# Altium PCB PrintNC_GRBLHAL_Breakout.pcbdoc (part 2 of 9) (continued)
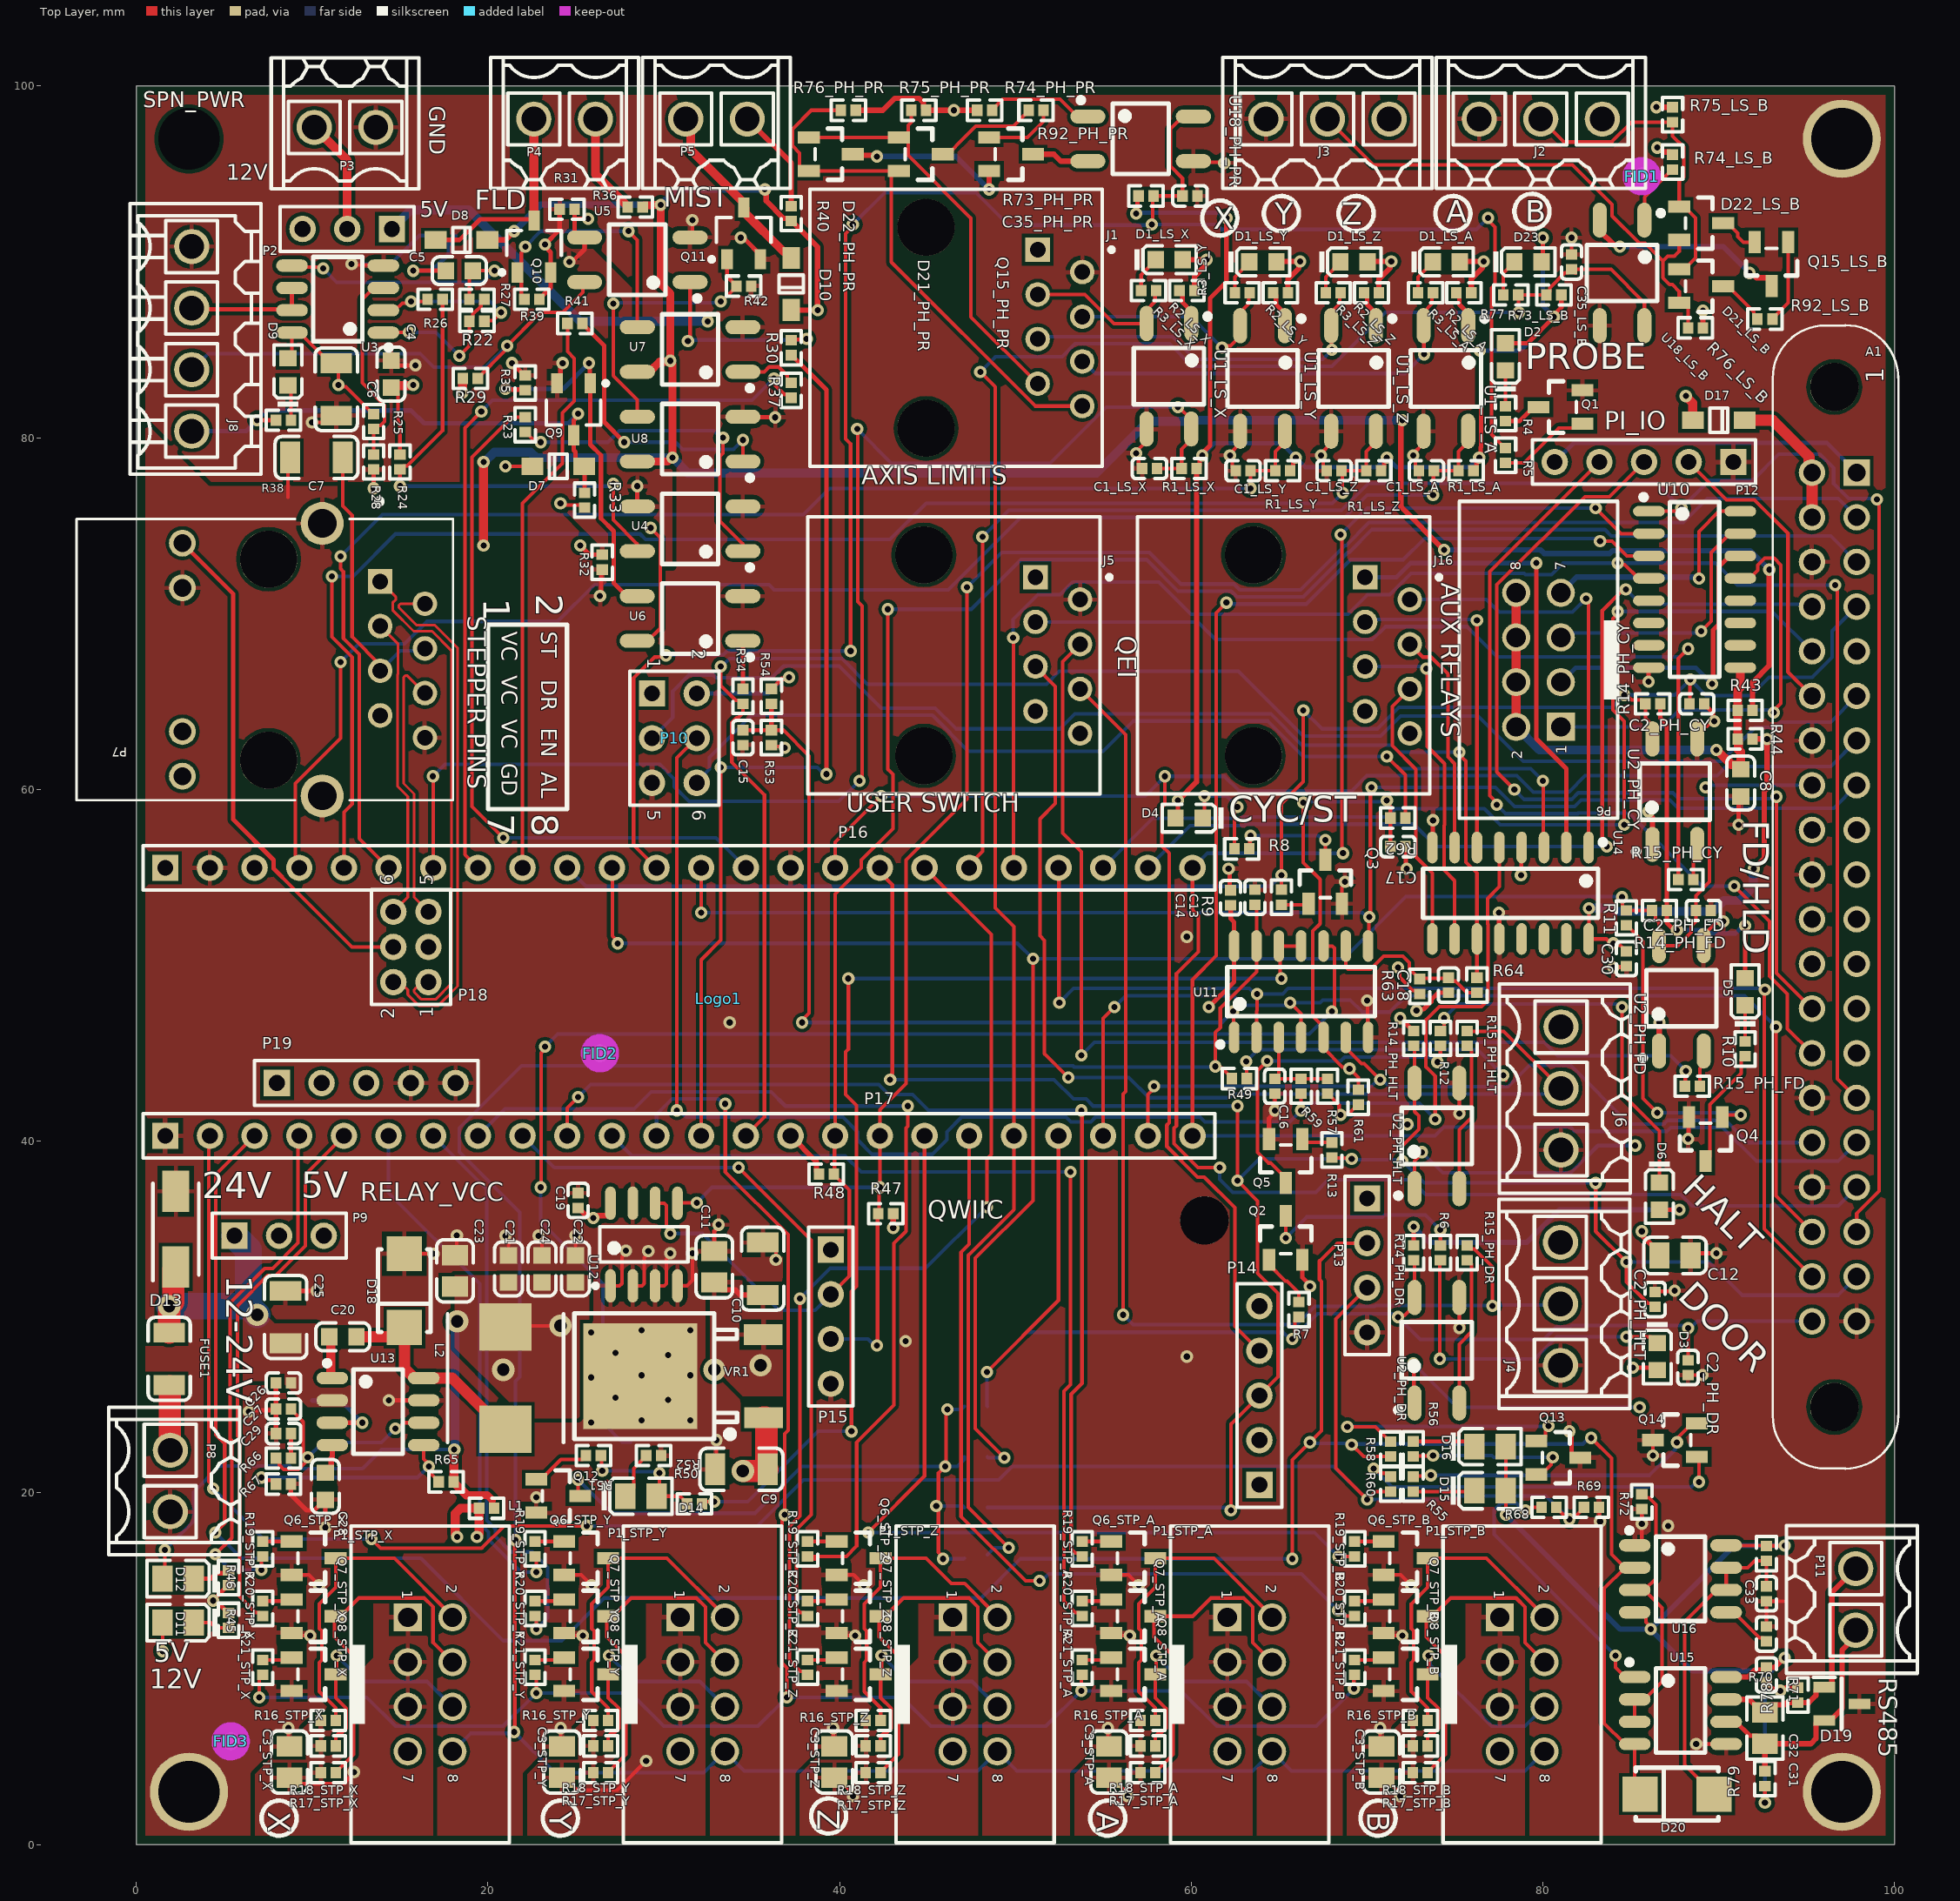
[diagram p0: Top Layer view]
## Footprints (in the part's own frame and the unit in brackets; to place one, negate y for a bottom-side part, rotate by r counter-clockwise, add the part's x,y. Pads: shape width x height; smd on the part's side, far side on the other; paste and mask are expansions set on the pad) (continued)
1_781(-44141.37,43644.33) 1_782(-44140.04,43644.79) 1_783(-44140.04,43644.79) 1_784(-44138.71,43646.15) 1_785(-44138.71,43646.15) 1_786(-44137.35,43646.57) 1_787(-44137.35,43646.57) 1_788(-44136.89,43647.48) 1_789(-44136.89,43647.48) 1_790(-44135.57,43647.93) 1_791(-44135.57,43647.93) 1_792(-44133.78,43649.71) 1_793(-44133.78,43649.71) 1_794(-44132.42,43650.17) 1_795(-44132.42,43650.17) 1_796(-44132,43651.04) 1_797(-44132,43651.04) 1_798(-44130.64,43651.5) 1_799(-44130.64,43651.5) 1_800(-44128.85,43653.28) 1_801(-44128.85,43653.28) 1_802(-44127.53,43653.73) 1_803(-44127.53,43653.73) 1_804(-44126.62,43655.1) 1_805(-44126.62,43655.1) 1_806(-44125.29,43655.52) 1_807(-44125.29,43655.52) 1_808(-44124.84,43656.42) 1_809(-44124.84,43656.42) 1_810(-44123.47,43656.88) 1_811(-44123.47,43656.88) 1_812(-44123.06,43657.75) 1_813(-44123.06,43657.75) 1_814(-44121.69,43658.21) 1_815(-44121.69,43658.21) 1_816(-44121.24,43659.11) 1_817(-44121.24,43659.11) 1_818(-44119.91,43659.57) 1_819(-44119.91,43659.57) 1_820(-44119.46,43660.44) 1_821(-44119.46,43660.44) 1_822(-44118.13,43660.9) 1_823(-44118.13,43660.9) 1_824(-44116.34,43662.68) 1_825(-44116.34,43662.68) 1_826(-44114.99,43663.13) 1_827(-44114.99,43663.13) 1_828(-44113.2,43664.92) 1_829(-44113.2,43664.92) 1_830(-44111.88,43665.37) 1_831(-44111.88,43665.37) 1_832(-44110.06,43667.15) 1_833(-44110.06,43667.15) 1_834(-44108.73,43667.61) 1_835(-44108.73,43667.61) 1_836(-44108.27,43668.52) 1_837(-44108.27,43668.52) 1_838(-44106.95,43668.93) 1_839(-44106.95,43668.93) 1_840(-44106.49,43669.84) 1_841(-44106.49,43669.84) 1_842(-44105.16,43670.3) 1_843(-44105.16,43670.3) 1_844(-44104.71,43671.17) 1_845(-44104.71,43671.17) 1_846(-44103.35,43671.63) 1_847(-44103.35,43671.63) 1_848(-44102.93,43672.53) 1_849(-44102.93,43672.53) 1_850(-44101.56,43672.99) 1_851(-44101.56,43672.99) 1_852(-44101.11,43673.86) 1_853(-44101.11,43673.86) 1_854(-44099.78,43674.32) 1_855(-44099.78,43674.32) 1_856(-44099.33,43675.22) 1_857(-44099.33,43675.22) 1_858(-44098,43675.64) 1_859(-44098,43675.64) 1_860(-44097.54,43676.55) 1_861(-44097.54,43676.55) 1_862(-44096.22,43677.01) 1_863(-44096.22,43677.01) 1_864(-44095.77,43677.88) 1_865(-44095.77,43677.88) 1_866(-44094.4,43678.34) 1_867(-44094.4,43678.34) 1_868(-44092.62,43680.12) 1_869(-44092.62,43680.12) 1_870(-44091.29,43680.57) 1_871(-44091.29,43680.57) 1_872(-44090.84,43681.48) 1_873(-44090.84,43681.48) 1_874(-44089.51,43681.93) 1_875(-44089.51,43681.93) 1_876(-44089.05,43682.81) 1_877(-44089.05,43682.81) 1_878(-44087.69,43683.26) 1_879(-44087.69,43683.26) 1_880(-44087.27,43684.17) 1_881(-44087.27,43684.17) 1_882(-44085.91,43684.59) 1_883(-44085.91,43684.59) 1_884(-44084.13,43686.41) 1_885(-44084.13,43686.41) 1_886(-44082.8,43686.83) 1_887(-44082.8,43686.83) 1_888(-44081.89,43688.19) 1_889(-44081.89,43688.19) 1_890(-44080.56,43688.64) 1_891(-44080.56,43688.64) 1_892(-44080.11,43689.52) 1_893(-44080.11,43689.52) 1_894(-44078.74,43689.97) 1_895(-44078.74,43689.97) 1_896(-44078.32,43690.88) 1_897(-44078.32,43690.88) 1_898(-44076.96,43691.3) 1_899(-44076.96,43691.3) 1_900(-44076.51,43692.21) 1_901(-44076.51,43692.21) 1_902(-44075.18,43692.66) 1_903(-44075.18,43692.66) 1_904(-44074.73,43693.54) 1_905(-44074.73,43693.54) 1_906(-44073.4,43693.99) 1_907(-44073.4,43693.99) 1_908(-44072.95,43694.9) 1_909(-44072.95,43694.9) 1_910(-44071.62,43695.35) 1_911(-44071.62,43695.35) 1_912(-44071.16,43696.23) 1_913(-44071.16,43696.23) 1_914(-44069.8,43696.68) 1_915(-44069.8,43696.68) 1_916(-44069.38,43697.59) 1_917(-44069.38,43697.59) 1_918(-44068.02,43698.01) 1_919(-44068.02,43698.01) 1_920(-44067.56,43698.92) 1_921(-44067.56,43698.92) 1_922(-44066.23,43699.37) 1_923(-44066.23,43699.37) 1_924(-44065.78,43700.24) 1_925(-44065.78,43700.24) 1_926(-44064.46,43700.7) 1_927(-44064.46,43700.7) 1_928(-44062.67,43702.48) 1_929(-44062.67,43702.48) 1_930(-44061.31,43702.94) 1_931(-44061.31,43702.94) 1_932(-44060.86,43703.84) 1_933(-44060.86,43703.84) 1_934(-44059.53,43704.3) 1_935(-44059.53,43704.3) 1_936(-44059.07,43705.17) 1_937(-44059.07,43705.17) 1_938(-44057.74,43705.63) 1_939(-44057.74,43705.63) 1_940(-44055.96,43707.41) 1_941(-44055.96,43707.41) 1_942(-44054.6,43707.86) 1_943(-44054.6,43707.86) 1_944(-44054.14,43708.77) 1_945(-44054.14,43708.77) 1_946(-44052.82,43709.19) 1_947(-44052.82,43709.19) 1_948(-44052.36,43710.1) 1_949(-44052.36,43710.1) 1_950(-44051.03,43710.55) 1_951(-44051.03,43710.55) 1_952(-44049.25,43712.34) 1_953(-44049.25,43712.34) 1_954(-44047.89,43712.79) 1_955(-44047.89,43712.79) 1_956(-44047.43,43713.66) 1_957(-44047.43,43713.66) 1_958(-44046.1,43714.12) 1_959(-44046.1,43714.12) 1_960(-44044.33,43715.9) 1_961(-44044.33,43715.9) 1_962(-44042.96,43716.35) 1_963(-44042.96,43716.35) 1_964(-44042.09,43717.72) 1_965(-44042.09,43717.72) 1_966(-44040.73,43718.14) 1_967(-44040.73,43718.14) 1_968(-44040.31,43719.05) 1_969(-44040.31,43719.05) 1_970(-44038.94,43719.5) 1_971(-44038.94,43719.5) 1_972(-44038.07,43720.83) 1_973(-44038.07,43720.83) 1_974(-44036.71,43721.28) 1_975(-44036.71,43721.28) 1_976(-44036.25,43722.19) 1_977(-44036.25,43722.19) 1_978(-44034.92,43722.61) 1_979(-44034.92,43722.61) 1_980(-44034.47,43723.52) 1_981(-44034.47,43723.52) 1_982(-44033.14,43723.97) 1_983(-44033.14,43723.97) 1_984(-44032.69,43724.85) 1_985(-44032.69,43724.85) 1_986(-44031.36,43725.3) 1_987(-44031.36,43725.3) 1_988(-44029.54,43727.08) 1_989(-44029.54,43727.08) 1_990(-44028.21,43727.54) 1_991(-44028.21,43727.54) 1_992(-44026.43,43729.32) 1_993(-44026.43,43729.32) 1_994(-44025.07,43729.77) 1_995(-44025.07,43729.77) 1_996(-44024.65,43730.68) 1_997(-44024.65,43730.68) 1_998(-44023.28,43731.14) 1_999(-44023.28,43731.14) 1_1000(-44021.51,43732.92) 1_1001(-44021.51,43732.92) 1_1002(-44018.36,43734.25) 1_1003(-44018.36,43734.25) 1_1004(-44017.03,43735.61) 1_1005(-44017.03,43735.61) 1_1006(-44015.7,43736.03) 1_1007(-44015.7,43736.03) 1_1008(-44014.79,43737.39) 1_1009(-44014.79,43737.39) 1_1010(-44011.65,43739.17) 1_1011(-44011.65,43739.17) 1_1012(-44008.08,43740.08) 1_1013(-44008.54,43738.72) 1_1014(-44008.08,43740.08) 1_1015(-44009,43738.72) 1_1016(-44008.54,43738.72) 1_1017(-44009.42,43735.61) 1_1018(-44009,43738.72) 1_1019(-44009.87,43735.61) 1_1020(-44009.42,43735.61) 1_1021(-44009.87,43735.61) 1_1022(-44009.42,43732.92) 1_1023(-44009.42,43732.92) 1_1024(-44009,43733.37) 1_1025(-44009,43733.37) 1_1026(-44008.54,43732.47) 1_1027(-44009.42,43732.47) 1_1028(-44008.54,43732.47) 1_1029(-44009.87,43731.14) 1_1030(-44009.42,43732.47) 1_1031(-44010.78,43731.14) 1_1032(-44009.87,43731.14) 1_1033(-44014.34,43727.08) 1_1034(-44010.78,43731.14) 1_1035(-44015.25,43727.08) 1_1036(-44014.34,43727.08) 1_1037(-44019.27,43722.61) 1_1038(-44015.25,43727.08) 1_1039(-44020.18,43722.61) 1_1040(-44019.27,43722.61) 1_1041(-44022.83,43719.5) 1_1042(-44020.18,43722.61) 1_1043(-44023.74,43719.5) 1_1044(-44022.83,43719.5) 1_1045(-44033.14,43709.65) 1_1046(-44023.74,43719.5) 1_1047(-44034.01,43709.65) 1_1048(-44033.14,43709.65) 1_1049(-44036.71,43706.54) 1_1050(-44034.01,43709.65) 1_1051(-44037.62,43706.54) 1_1052(-44036.71,43706.54) 1_1053(-44043.87,43699.83) 1_1054(-44037.62,43706.54) 1_1055(-44044.78,43699.83) 1_1056(-44043.87,43699.83) 1_1057(-44052.36,43691.75) 1_1058(-44044.78,43699.83) 1_1059(-44053.27,43691.75) 1_1060(-44052.36,43691.75) 1_1061(-44057.29,43687.28) 1_1062(-44053.27,43691.75) 1_1063(-44058.19,43687.28) 1_1064(-44057.29,43687.28) 1_1065(-44061.31,43683.72) 1_1066(-44058.19,43687.28) 1_1067(-44062.21,43683.72) 1_1068(-44061.31,43683.72) 1_1069(-44072.49,43672.99) 1_1070(-44062.21,43683.72) 1_1071(-44073.4,43672.99) 1_1072(-44072.49,43672.99) 1_1073(-44076.09,43669.84) 1_1074(-44073.4,43672.99) 1_1075(-44076.96,43669.84) 1_1076(-44076.09,43669.84) 1_1077(-44082.34,43664.04) 1_1078(-44076.96,43669.84) 1_1079(-44083.22,43664.04) 1_1080(-44082.34,43664.04) 1_1081(-44091.75,43655.1) 1_1082(-44083.22,43664.04) 1_1083(-44092.62,43655.1) 1_1084(-44091.75,43655.1) 1_1085(-44097.09,43650.17) 1_1086(-44092.62,43655.1) 1_1087(-44098,43650.17) 1_1088(-44097.09,43650.17) 1_1089(-44108.27,43639.44) 1_1090(-44098,43650.17) 1_1091(-44109.18,43639.44) 1_1092(-44108.27,43639.44) 1_1093(-44113.2,43634.97) 1_1094(-44109.18,43639.44) 1_1095(-44114.11,43634.97) 1_1096(-44113.2,43634.97) 1_1097(-44119.91,43628.68) 1_1098(-44114.11,43634.97) 1_1099(-44120.82,43628.68) 1_1100(-44119.91,43628.68) 1_1101(-44124.84,43624.21) 1_1102(-44120.82,43628.68) 1_1103(-44125.71,43624.21) 1_1104(-44124.84,43624.21) 1_1105(-44130.19,43619.31) 1_1106(-44125.71,43624.21) 1_1107(-44131.1,43619.31) 1_1108(-44130.19,43619.31) 1_1109(-44134.66,43615.26) 1_1110(-44131.1,43619.31) 1_1111(-44135.57,43615.26) 1_1112(-44134.66,43615.26) 1_1113(-44142.28,43608.13) 1_1114(-44135.57,43615.26) 1_1115(-44143.19,43608.13) 1_1116(-44142.28,43608.13) 1_1117(-44145.42,43605.44) 1_1118(-44143.19,43608.13) 1_1119(-44145.84,43605.44) 1_1120(-44145.42,43605.44) 1_1121(-44146.3,43604.08) 1_1122(-44145.84,43605.44) 1_1123(-44147.2,43604.08) 1_1124(-44146.3,43604.08) 1_1125(-44149.9,43600.97) 1_1126(-44147.2,43604.08) 1_1127(-44150.77,43600.97) 1_1128(-44149.9,43600.97) 1_1129(-44152.13,43599.18) 1_1130(-44150.77,43600.97) 1_1131(-44153,43599.18) 1_1132(-44152.13,43599.18) 1_1133(-44157.48,43594.26) 1_1134(-44153,43599.18) 1_1135(-44158.39,43594.26) 1_1136(-44157.48,43594.26) 1_1137(-44161.08,43591.11) 1_1138(-44158.39,43594.26) 1_1139(-44161.95,43591.11) 1_1140(-44161.08,43591.11) 1_1141(-44165.1,43587.55) 1_1142(-44161.95,43591.11) 1_1143(-44165.97,43587.55) 1_1144(-44165.1,43587.55) 1_1145(-44168.66,43584.4) 1_1146(-44165.97,43587.55) 1_1147(-44169.57,43584.4) 1_1148(-44168.66,43584.4) 1_1149(-44171.35,43582.17) 1_1150(-44169.57,43584.4) 1_1151(-44172.26,43582.17) 1_1152(-44171.35,43582.17) 1_1153(-44176.28,43577.69) 1_1154(-44172.26,43582.17) 1_1155(-44177.15,43577.69) 1_1156(-44176.28,43577.69) 1_1157(-44177.61,43576.82) 1_1158(-44177.15,43577.69) 1_1159(-44177.61,43576.82) 1_1160(-44159.71,43570.53) 1_1161(-44159.71,43570.53) 1_1162(-44148.07,43566.51) 1_1163(-44148.07,43566.51) 1_1164(-44141.82,43564.73) 1_1165(-44141.82,43564.73) 1_1166(-44136.89,43562.49) 1_1167(-44136.89,43562.49) 1_1168(-44130.64,43560.71) 1_1169(-44130.64,43560.71) 1_1170(-44125.71,43558.47) 1_1171(-44125.71,43558.47) 1_1172(-44119.46,43556.69) 1_1173(-44119.46,43556.69) 1_1174(-44114.53,43554.45) 1_1175(-44114.53,43554.45) 1_1176(-44100.24,43549.98) 1_1177(-44100.24,43549.98) 1_1178(-44098,43548.62) 1_1179(-44098,43548.62) 1_1180(-44095.77,43548.16) 1_1181(-44095.77,43548.16) 1_1182(-44093.52,43546.84) 1_1183(-44093.52,43546.84) 1_1184(-44083.22,43543.69) 1_1185(-44083.22,43543.69) 1_1186(-44078.32,43541.45) 1_1187(-44078.32,43541.45) 1_1188(-44073.4,43540.13) 1_1189(-44073.4,43540.13) 1_1190(-44068.47,43537.89) 1_1191(-44068.47,43537.89) 1_1192(-44063.54,43536.56) 1_1193(-44063.54,43536.56) 1_1194(-44061.31,43535.2) 1_1195(-44061.31,43535.2) 1_1196(-44059.07,43534.74) 1_1197(-44059.07,43534.74) 1_1198(-44056.84,43533.42) 1_1199(-44056.84,43533.42) 1_1200(-44054.6,43532.96) 1_1201(-44054.6,43532.96) 1_1202(-44052.36,43531.63) 1_1203(-44052.36,43531.63) 1_1204(-44050.12,43531.18) 1_1205(-44050.12,43531.18) 1_1206(-44047.89,43529.85) 1_1207(-44047.89,43529.85) 1_1208(-44045.65,43529.4) 1_1209(-44045.65,43529.4) 1_1210(-44043.41,43528.04) 1_1211(-44043.41,43528.04) 1_1212(-44041.18,43527.62) 1_1213(-44041.18,43527.62) 1_1214(-44038.94,43526.25) 1_1215(-44038.94,43526.25) 1_1216(-44036.71,43525.8) 1_1217(-44036.71,43525.8) 1_1218(-44033.14,43524.02) 1_1219(-44033.14,43524.02) 1_1220(-44030.9,43523.56) 1_1221(-44030.9,43523.56) 1_1222(-44028.67,43522.23) 1_1223(-44028.67,43522.23) 1_1224(-44026.43,43521.78) 1_1225(-44026.43,43521.78) 1_1226(-44024.2,43520.45) 1_1227(-44024.2,43520.45) 1_1228(-44021.96,43520) 1_1229(-44021.96,43520) 1_1230(-44021.05,43519.09) 1_1231(-44021.05,43519.09) 1_1232(-44018.81,43518.67) 1_1233(-44018.81,43518.67) 1_1234(-44016.58,43517.31) 1_1235(-44016.58,43517.31) 1_1236(-44014.34,43516.85) 1_1237(-44014.34,43516.85) 1_1238(-44010.78,43515.07) 1_1239(-44010.78,43515.07) 1_1240(-44008.54,43514.62) 1_1241(-44008.54,43514.62) 1_1242(-44006.3,43513.29) 1_1243(-44006.3,43513.29) 1_1244(-44004.07,43512.83) 1_1245(-44004.07,43512.83) 1_1246(-44003.16,43511.96) 1_1247(-44003.16,43511.96) 1_1248(-44000.92,43511.51) 1_1249(-44000.92,43511.51) 1_1250(-43997.81,43509.72) 1_1251(-43997.81,43509.72) 1_1252(-43995.57,43509.27) 1_1253(-43995.57,43509.27) 1_1254(-43993.76,43507.91) 1_1255(-43993.76,43507.91) 1_1256(-43991.52,43507.49) 1_1257(-43991.52,43507.49) 1_1258(-43990.65,43506.58) 1_1259(-43990.65,43506.58) 1_1260(-43988.41,43506.13) 1_1261(-43988.41,43506.13) 1_1262(-43986.18,43504.8) 1_1263(-43986.18,43504.8) 1_1264(-43983.94,43504.34) 1_1265(-43983.94,43504.34) 1_1266(-43976.77,43500.32) 1_1267(-43976.77,43500.32) 1_1268(-43974.54,43499.87) 1_1269(-43974.54,43499.87) 1_1270(-43973.63,43498.96) 1_1271(-43973.63,43498.96) 1_1272(-43971.39,43498.54) 1_1273(-43971.39,43498.54) 1_1274(-43967.83,43496.31) 1_1275(-43967.83,43496.31) 1_1276(-43964.68,43495.4) 1_1277(-43964.68,43495.4) 1_1278(-43961.57,43493.16) 1_1279(-43961.57,43493.16) 1_1280(-43957.55,43491.38) 1_1281(-43957.55,43491.38) 1_1282(-43954.87,43488.69) 1_1283(-43954.87,43488.69) 1_1284(-43954.41,43486.91) 1_1285(-43957.55,43486) 1_1286(-43954.41,43486.91) 1_1287(-43968.74,43487.36) 1_1288(-43957.55,43486) 1_1289(-43981.25,43490.47) 1_1290(-43968.74,43487.36) 1_1291(-43997.81,43494.49) 1_1292(-43981.25,43490.47) 1_1293(-44000.92,43494.94) 1_1294(-43997.81,43494.49) 1_1295(-44002.29,43495.85) 1_1296(-44000.92,43494.94) 1_1297(-44010.78,43497.18) 1_1298(-44002.29,43495.85) 1_1299(-44014.79,43498.96) 1_1300(-44010.78,43497.18) 1_1301(-44025.53,43501.65) 1_1302(-44014.79,43498.96) 1_1303(-44028.67,43502.11) 1_1304(-44025.53,43501.65) 1_1305(-44033.6,43503.89) 1_1306(-44028.67,43502.11) 1_1307(-44036.71,43504.34) 1_1308(-44033.6,43503.89) 1_1309(-44039.85,43505.67) 1_1310(-44036.71,43504.34) 1_1311(-44042.96,43506.13) 1_1312(-44039.85,43505.67) 1_1313(-44046.1,43507.49) 1_1314(-44042.96,43506.13) 1_1315(-44051.03,43508.36) 1_1316(-44046.1,43507.49) 1_1317(-44054.14,43509.72) 1_1318(-44051.03,43508.36) 1_1319(-44057.29,43510.14) 1_1320(-44054.14,43509.72) 1_1321(-44060.44,43511.51) 1_1322(-44057.29,43510.14) 1_1323(-44063.54,43511.96) 1_1324(-44060.44,43511.51) 1_1325(-44066.69,43513.29) 1_1326(-44063.54,43511.96) 1_1327(-44069.8,43513.74) 1_1328(-44066.69,43513.29) 1_1329(-44072.95,43515.07) 1_1330(-44069.8,43513.74) 1_1331(-44076.09,43515.52) 1_1332(-44072.95,43515.07) 1_1333(-44079.2,43516.85) 1_1334(-44076.09,43515.52) 1_1335(-44082.34,43517.31) 1_1336(-44079.2,43516.85) 1_1337(-44085.45,43518.67) 1_1338(-44082.34,43517.31) 1_1339(-44090.38,43519.54) 1_1340(-44085.45,43518.67) 1_1341(-44091.75,43520.45) 1_1342(-44090.38,43519.54) 1_1343(-44094.86,43520.91) 1_1344(-44091.75,43520.45) 1_1345(-44098,43522.23) 1_1346(-44094.86,43520.91) 1_1347(-44101.11,43522.69) 1_1348(-44098,43522.23) 1_1349(-44102.47,43523.56) 1_1350(-44101.11,43522.69) 1_1351(-44105.58,43524.02) 1_1352(-44102.47,43523.56) 1_1353(-44108.73,43525.38) 1_1354(-44105.58,43524.02) 1_1355(-44111.88,43525.8) 1_1356(-44108.73,43525.38) 1_1357(-44116.34,43527.62) 1_1358(-44111.88,43525.8) 1_1359(-44119.46,43528.04) 1_1360(-44116.34,43527.62) 1_1361(-44123.93,43529.85) 1_1362(-44119.46,43528.04) 1_1363(-44127.08,43530.27) 1_1364(-44123.93,43529.85) 1_1365(-44128.4,43531.18) 1_1366(-44127.08,43530.27) 1_1367(-44131.55,43531.63) 1_1368(-44128.4,43531.18) 1_1369(-44134.66,43532.96) 1_1370(-44131.55,43531.63) 1_1371(-44137.8,43533.42) 1_1372(-44134.66,43532.96) 1_1373(-44140.95,43534.74) 1_1374(-44137.8,43533.42) 1_1375(-44144.05,43535.2) 1_1376(-44140.95,43534.74) 1_1377(-44147.2,43536.56) 1_1378(-44144.05,43535.2) 1_1379(-44150.32,43536.98) 1_1380(-44147.2,43536.56) 1_1381(-44153.46,43538.34) 1_1382(-44150.32,43536.98) 1_1383(-44158.39,43539.22) 1_1384(-44153.46,43538.34) 1_1385(-44159.71,43540.13) 1_1386(-44158.39,43539.22) 1_1387(-44162.86,43540.58) 1_1388(-44159.71,43540.13) 1_1389(-44165.97,43541.91) 1_1390(-44162.86,43540.58) 1_1391(-44169.11,43542.36) 1_1392(-44165.97,43541.91) 1_1393(-44173.59,43544.15) 1_1394(-44169.11,43542.36) 1_1395(-44176.73,43544.6) 1_1396(-44173.59,43544.15) 1_1397(-44179.84,43545.93) 1_1398(-44176.73,43544.6) 1_1399(-44182.99,43546.38) 1_1400(-44179.84,43545.93) 1_1401(-44186.1,43547.74) 1_1402(-44182.99,43546.38) 1_1403(-44189.24,43548.16) 1_1404(-44186.1,43547.74) 1_1405(-44192.39,43549.53) 1_1406(-44189.24,43548.16) 1_1407(-44195.5,43549.98) 1_1408(-44192.39,43549.53) 1_1409(-44198.64,43551.31) 1_1410(-44195.5,43549.98) 1_1411(-44205.81,43553.09) 1_1412(-44198.64,43551.31) 1_1413(-44206.23,43552.22) 1_1414(-44205.81,43553.09) 1_1415(-44207.13,43552.22) 1_1416(-44206.23,43552.22) 1_1417(-44208.04,43550.85) 1_1418(-44207.13,43552.22) 1_1419(-44208.92,43550.85) 1_1420(-44208.04,43550.85) 1_1421(-44210.7,43548.62) 1_1422(-44208.92,43550.85) 1_1423(-44211.61,43548.62) 1_1424(-44210.7,43548.62) 1_1425(-44212.06,43547.74) 1_1426(-44211.61,43548.62) 1_1427(-44212.94,43547.74) 1_1428(-44212.06,43547.74) 1_1429(-44216.53,43543.69) 1_1430(-44212.94,43547.74) 1_1431(-44217.41,43543.69) 1_1432(-44216.53,43543.69) 1_1433(-44218.32,43542.36) 1_1434(-44217.41,43543.69) 1_1435(-44219.23,43542.36) 1_1436(-44218.32,43542.36) 1_1437(-44220.1,43541.04) 1_1438(-44219.23,43542.36) 1_1439(-44221.01,43541.04) 1_1440(-44220.1,43541.04) 1_1441(-44221.88,43539.67) 1_1442(-44221.01,43541.04) 1_1443(-44222.79,43539.67) 1_1444(-44221.88,43539.67) 1_1445(-44224.57,43537.44) 1_1446(-44222.79,43539.67) 1_1447(-44225.48,43537.44) 1_1448(-44224.57,43537.44) 1_1449(-44227.26,43535.2) 1_1450(-44225.48,43537.44) 1_1451(-44228.17,43535.2) 1_1452(-44227.26,43535.2) 1_1453(-44229.5,43533.42) 1_1454(-44228.17,43535.2) 1_1455(-44230.41,43533.42) 1_1456(-44229.5,43533.42) 1_1457(-44232.19,43531.18) 1_1458(-44230.41,43533.42) 1_1459(-44233.06,43531.18) 1_1460(-44232.19,43531.18) 1_1461(-44233.97,43529.85) 1_1462(-44233.06,43531.18) 1_1463(-44234.88,43529.85) 1_1464(-44233.97,43529.85) 1_1465(-44235.75,43528.49) 1_1466(-44234.88,43529.85) 1_1467(-44236.66,43528.49) 1_1468(-44235.75,43528.49) 1_1469(-44237.54,43527.16) 1_1470(-44236.66,43528.49) 1_1471(-44238.44,43527.16) 1_1472(-44237.54,43527.16) 1_1473(-44239.35,43525.8) 1_1474(-44238.44,43527.16) 1_1475(-44240.23,43525.8) 1_1476(-44239.35,43525.8) 1_1477(-44241.14,43524.47) 1_1478(-44240.23,43525.8) 1_1479(-44242.01,43524.47) 1_1480(-44241.14,43524.47) 1_1481(-44242.92,43523.14) 1_1482(-44242.01,43524.47) 1_1483(-44243.83,43523.14) 1_1484(-44242.92,43523.14) 1_1485(-44245.61,43520.91) 1_1486(-44243.83,43523.14) 1_1487(-44246.48,43520.91) 1_1488(-44245.61,43520.91) 1_1489(-44248.3,43518.67) 1_1490(-44246.48,43520.91) 1_1491(-44249.17,43518.67) 1_1492(-44248.3,43518.67) 1_1493(-44250.08,43517.31) 1_1494(-44249.17,43518.67) 1_1495(-44250.95,43517.31) 1_1496(-44250.08,43517.31) 1_1497(-44251.86,43515.98) 1_1498(-44250.95,43517.31) 1_1499(-44252.77,43515.98) 1_1500(-44251.86,43515.98) 1_1501(-44253.65,43514.62) 1_1502(-44252.77,43515.98) 1_1503(-44254.55,43514.62) 1_1504(-44253.65,43514.62) 1_1505(-44255.43,43513.29) 1_1506(-44254.55,43514.62) 1_1507(-44256.34,43513.29) 1_1508(-44255.43,43513.29) 1_1509(-44257.25,43511.96) 1_1510(-44256.34,43513.29) 1_1511(-44258.12,43511.96) 1_1512(-44257.25,43511.96) 1_1513(-44259.03,43510.6) 1_1514(-44258.12,43511.96) 1_1515(-44259.9,43510.6) 1_1516(-44259.03,43510.6) 1_1517(-44260.81,43509.27) 1_1518(-44259.9,43510.6) 1_1519(-44261.72,43509.27) 1_1520(-44260.81,43509.27) 1_1521(-44262.59,43507.91) 1_1522(-44261.72,43509.27) 1_1523(-44263.5,43507.91) 1_1524(-44262.59,43507.91) 1_1525(-44264.37,43506.58) 1_1526(-44263.5,43507.91) 1_1527(-44265.28,43506.58) 1_1528(-44264.37,43506.58) 1_1529(-44265.74,43505.67) 1_1530(-44265.28,43506.58) 1_1531(-44266.61,43505.67) 1_1532(-44265.74,43505.67) 1_1533(-44267.07,43504.8) 1_1534(-44266.61,43505.67) 1_1535(-44267.97,43504.8) 1_1536(-44267.07,43504.8) 1_1537(-44268.43,43503.89) 1_1538(-44267.97,43504.8) 1_1539(-44269.3,43503.89) 1_1540(-44268.43,43503.89) 1_1541(-44270.21,43502.56) 1_1542(-44269.3,43503.89) 1_1543(-44271.08,43502.56) 1_1544(-44270.21,43502.56) 1_1545(-44271.99,43501.2) 1_1546(-44271.08,43502.56) 1_1547(-44272.9,43501.2) 1_1548(-44271.99,43501.2) 1_1549(-44273.77,43499.87) 1_1550(-44272.9,43501.2) 1_1551(-44274.68,43499.87) 1_1552(-44273.77,43499.87) 1_1553(-44275.56,43498.54) 1_1554(-44274.68,43499.87) 1_1555(-44276.47,43498.54) 1_1556(-44275.56,43498.54) 1_1557(-44276.92,43497.63) 1_1558(-44276.47,43498.54) 1_1559(-44277.79,43497.63) 1_1560(-44276.92,43497.63) 1_1561(-44278.25,43496.73) 1_1562(-44277.79,43497.63) 1_1563(-44279.16,43496.73) 1_1564(-44278.25,43496.73) 1_1565(-44279.61,43495.85) 1_1566(-44279.16,43496.73) 1_1567(-44280.48,43495.85) 1_1568(-44279.61,43495.85) 1_1569(-44280.94,43494.94) 1_1570(-44280.48,43495.85) 1_1571(-44281.85,43494.94) 1_1572(-44280.94,43494.94) 1_1573(-44282.72,43493.61) 1_1574(-44281.85,43494.94) 1_1575(-44283.63,43493.61) 1_1576(-44282.72,43493.61) 1_1577(-44284.5,43492.25) 1_1578(-44283.63,43493.61) 1_1579(-44285.41,43492.25) 1_1580(-44284.5,43492.25) 1_1581(-44287.19,43490.47) 1_1582(-44285.41,43492.25) 1_1583(-44288.1,43490.47) 1_1584(-44287.19,43490.47) 1_1585(-44289.43,43489.14) 1_1586(-44288.1,43490.47) 1_1587(-44290.34,43489.14) 1_1588(-44289.43,43489.14) 1_1589(-44290.79,43488.23) 1_1590(-44290.34,43489.14) 1_1591(-44291.67,43488.23) 1_1592(-44290.79,43488.23) 1_1593(-44292.12,43487.36) 1_1594(-44291.67,43488.23) 1_1595(-44293.03,43487.36) 1_1596(-44292.12,43487.36) 1_1597(-44293.9,43486) 1_1598(-44293.03,43487.36) 1_1599(-44294.81,43486) 1_1600(-44293.9,43486) 1_1601(-44295.68,43484.67) 1_1602(-44294.81,43486) 1_1603(-44296.59,43484.67) 1_1604(-44295.68,43484.67) 1_1605(-44298.38,43482.89) 1_1606(-44296.59,43484.67) 1_1607(-44299.29,43482.89) 1_1608(-44298.38,43482.89) 1_1609(-44300.61,43481.52) 1_1610(-44299.29,43482.89) 1_1611(-44301.52,43481.52) 1_1612(-44300.61,43481.52) 1_1613(-44301.98,43480.65) 1_1614(-44301.52,43481.52) 1_1615(-44302.85,43480.65) 1_1616(-44301.98,43480.65) 1_1617(-44303.3,43479.74) 1_1618(-44302.85,43480.65) 1_1619(-44304.21,43479.74) 1_1620(-44303.3,43479.74) 1_1621(-44305.08,43478.41) 1_1622(-44304.21,43479.74) 1_1623(-44305.99,43478.41) 1_1624(-44305.08,43478.41) 1_1625(-44306.87,43477.05) 1_1626(-44305.99,43478.41) 1_1627(-44307.78,43477.05) 1_1628(-44306.87,43477.05) 1_1629(-44309.56,43475.27) 1_1630(-44307.78,43477.05) 1_1631(-44310.47,43475.27) 1_1632(-44309.56,43475.27) 1_1633(-44311.79,43473.94) 1_1634(-44310.47,43475.27) 1_1635(-44312.7,43473.94) 1_1636(-44311.79,43473.94) 1_1637(-44313.16,43473.03) 1_1638(-44312.7,43473.94) 1_1639(-44314.03,43473.03) 1_1640(-44313.16,43473.03) 1_1641(-44314.49,43472.12) 1_1642(-44314.03,43473.03) 1_1643(-44315.4,43472.12) 1_1644(-44314.49,43472.12) 1_1645(-44315.81,43471.25) 1_1646(-44315.4,43472.12) 1_1647(-44316.72,43471.25) 1_1648(-44315.81,43471.25) 1_1649(-44317.18,43470.34) 1_1650(-44316.72,43471.25) 1_1651(-44318.05,43470.34) 1_1652(-44317.18,43470.34) 1_1653(-44318.5,43469.47) 1_1654(-44318.05,43470.34) 1_1655(-44319.41,43469.47) 1_1656(-44318.5,43469.47) 1_1657(-44319.87,43468.56) 1_1658(-44319.41,43469.47) 1_1659(-44320.74,43468.56) 1_1660(-44319.87,43468.56) 1_1661(-44323.89,43466.32) 1_1662(-44320.74,43468.56) 1_1663(-44327.45,43464.09) 1_1664(-44323.89,43466.32) 1_1665(-44328.36,43464.09) 1_1666(-44327.45,43464.09) 1_1667(-44329.69,43462.76) 1_1668(-44328.36,43464.09) 1_1669(-44330.6,43462.76) 1_1670(-44329.69,43462.76) 1_1671(-44331.05,43461.85) 1_1672(-44330.6,43462.76) 1_1673(-44331.92,43461.85) 1_1674(-44331.05,43461.85) 1_1675(-44335.07,43459.61) 1_1676(-44331.92,43461.85) 1_1677(-44338.63,43457.38) 1_1678(-44335.07,43459.61) 1_1679(-44339.54,43457.38) 1_1680(-44338.63,43457.38) 1_1681(-44340.87,43456.05) 1_1682(-44339.54,43457.38) 1_1683(-44341.78,43456.05) 1_1684(-44340.87,43456.05) 1_1685(-44343.1,43454.69) 1_1686(-44341.78,43456.05) 1_1687(-44344.01,43454.69) 1_1688(-44343.1,43454.69) 1_1689(-44345.34,43453.36) 1_1690(-44344.01,43454.69) 1_1691(-44346.25,43453.36) 1_1692(-44345.34,43453.36) 1_1693(-44347.58,43451.99) 1_1694(-44346.25,43453.36) 1_1695(-44351.6,43449.76) 1_1696(-44347.58,43451.99) 1_1697(-44352.51,43449.76) 1_1698(-44351.6,43449.76) 1_1699(-44355.65,43447.52) 1_1700(-44352.51,43449.76) 1_1701(-44356.53,43447.52) 1_1702(-44355.65,43447.52) 1_1703(-44357.89,43446.19) 1_1704(-44356.53,43447.52) 1_1705(-44358.76,43446.19) 1_1706(-44357.89,43446.19) 1_1707(-44359.21,43445.28) 1_1708(-44358.76,43446.19) 1_1709(-44360.54,43445.28) 1_1710(-44359.21,43445.28) 1_1711(-44368.62,43440.81) 1_1712(-44360.54,43445.28) 1_1713(-44369.49,43440.81) 1_1714(-44368.62,43440.81) 1_1715(-44372.64,43438.58) 1_1716(-44369.49,43440.81) 1_1717(-44373.54,43438.58) 1_1718(-44372.64,43438.58) 1_1719(-44374.87,43437.25) 1_1720(-44373.54,43438.58) 1_1721(-44375.78,43437.25) 1_1722(-44374.87,43437.25) 1_1723(-44376.2,43436.34) 1_1724(-44375.78,43437.25) 1_1725(-44377.56,43436.34) 1_1726(-44376.2,43436.34) 1_1727(-44382.03,43433.68) 1_1728(-44377.56,43436.34) 1_1729(-44383.36,43433.68) 1_1730(-44382.03,43433.68) 1_1731(-44393.22,43428.3) 1_1732(-44383.36,43433.68) 1_1733(-44394.55,43428.3) 1_1734(-44393.22,43428.3) 1_1735(-44405.73,43422.5) 1_1736(-44394.55,43428.3) 1_1737(-44407.09,43422.5) 1_1738(-44405.73,43422.5) 1_1739(-44407.96,43421.59) 1_1740(-44407.09,43422.5) 1_1741(-44409.33,43421.59) 1_1742(-44407.96,43421.59) 1_1743(-44410.2,43420.68) 1_1744(-44409.33,43421.59) 1_1745(-44411.56,43420.68) 1_1746(-44410.2,43420.68) 1_1747(-44416.04,43418.03) 1_1748(-44411.56,43420.68) 1_1749(-44417.36,43418.03) 1_1750(-44416.04,43418.03) 1_1751(-44418.27,43417.12) 1_1752(-44417.36,43418.03) 1_1753(-44419.6,43417.12) 1_1754(-44418.27,43417.12) 1_1755(-44422.75,43415.34) 1_1756(-44419.6,43417.12) 1_1757(-44424.07,43415.34) 1_1758(-44422.75,43415.34) 1_1759(-44424.98,43414.43) 1_1760(-44424.07,43415.34) 1_1761(-44426.31,43414.43) 1_1762(-44424.98,43414.43) 1_1763(-44427.22,43413.56) 1_1764(-44426.31,43414.43) 1_1765(-44428.55,43413.56) 1_1766(-44427.22,43413.56) 1_1767(-44429.45,43412.65) 1_1768(-44428.55,43413.56) 1_1769(-44430.78,43412.65) 1_1770(-44429.45,43412.65) 1_1771(-44432.56,43411.32) 1_1772(-44430.78,43412.65) 1_1773(-44434.35,43411.32) 1_1774(-44432.56,43411.32) 1_1775(-44438.4,43409.5) 1_1776(-44434.35,43411.32) 1_1777(-44439.73,43409.5) 1_1778(-44438.4,43409.5) 1_1779(-44440.64,43408.63) 1_1780(-44439.73,43409.5) 1_1781(-44441.97,43408.63) 1_1782(-44440.64,43408.63) 1_1783(-44443.75,43407.26) 1_1784(-44441.97,43408.63) 1_1785(-44445.53,43407.26) 1_1786(-44443.75,43407.26) 1_1787(-44449.58,43405.48) 1_1788(-44445.53,43407.26) 1_1789(-44450.91,43405.48) 1_1790(-44449.58,43405.48) 1_1791(-44451.82,43404.61) 1_1792(-44450.91,43405.48) 1_1793(-44453.15,43404.61) 1_1794(-44451.82,43404.61) 1_1795(-44454.93,43403.25) 1_1796(-44453.15,43404.61) 1_1797(-44456.71,43403.25) 1_1798(-44454.93,43403.25) 1_1799(-44471.49,43398.32) 1_1800(-44456.71,43403.25) 1_1801(-44473.28,43398.32) 1_1802(-44471.49,43398.32) 1_1803(-44481.31,43395.21) 1_1804(-44473.28,43398.32) 1_1805(-44506.82,43388.95) 1_1806(-44481.31,43395.21) 1_1807(-44509.51,43388.95) 1_1808(-44506.82,43388.95) 1_1809(-44517.55,43386.72) 1_1810(-44509.51,43388.95) 1_1811(-44520.24,43386.72) 1_1812(-44517.55,43386.72) 1_1813(-44525.62,43384.9) 1_1814(-44520.24,43386.72) 1_1815(-44530.97,43384.9) 1_1816(-44525.62,43384.9) 1_1817(-44539.04,43383.12) 1_1818(-44530.97,43384.9) 1_1819(-44551.55,43381.34) 1_1820(-44539.04,43383.12) 1_1821(-44556.93,43381.34) 1_1822(-44551.55,43381.34) 1_1823(-44572.14,43379.55) 1_1824(-44556.93,43381.34) 1_1825(-44577.06,43379.55) 1_1826(-44572.14,43379.55) 1_1827(-44577.06,43379.55) 1_1828(-44589.12,43426.07) 1_1829(-44575.25,43426.97) 1_1830(-44575.25,43426.97) 1_1831(-44566.3,43428.3) 1_1832(-44566.3,43428.3) 1_1833(-44557.81,43428.76) 1_1834(-44557.81,43428.76)